# Altium PCB HMI_F767_V1.0_edited.PcbDoc (part 1 of 3) (continued)
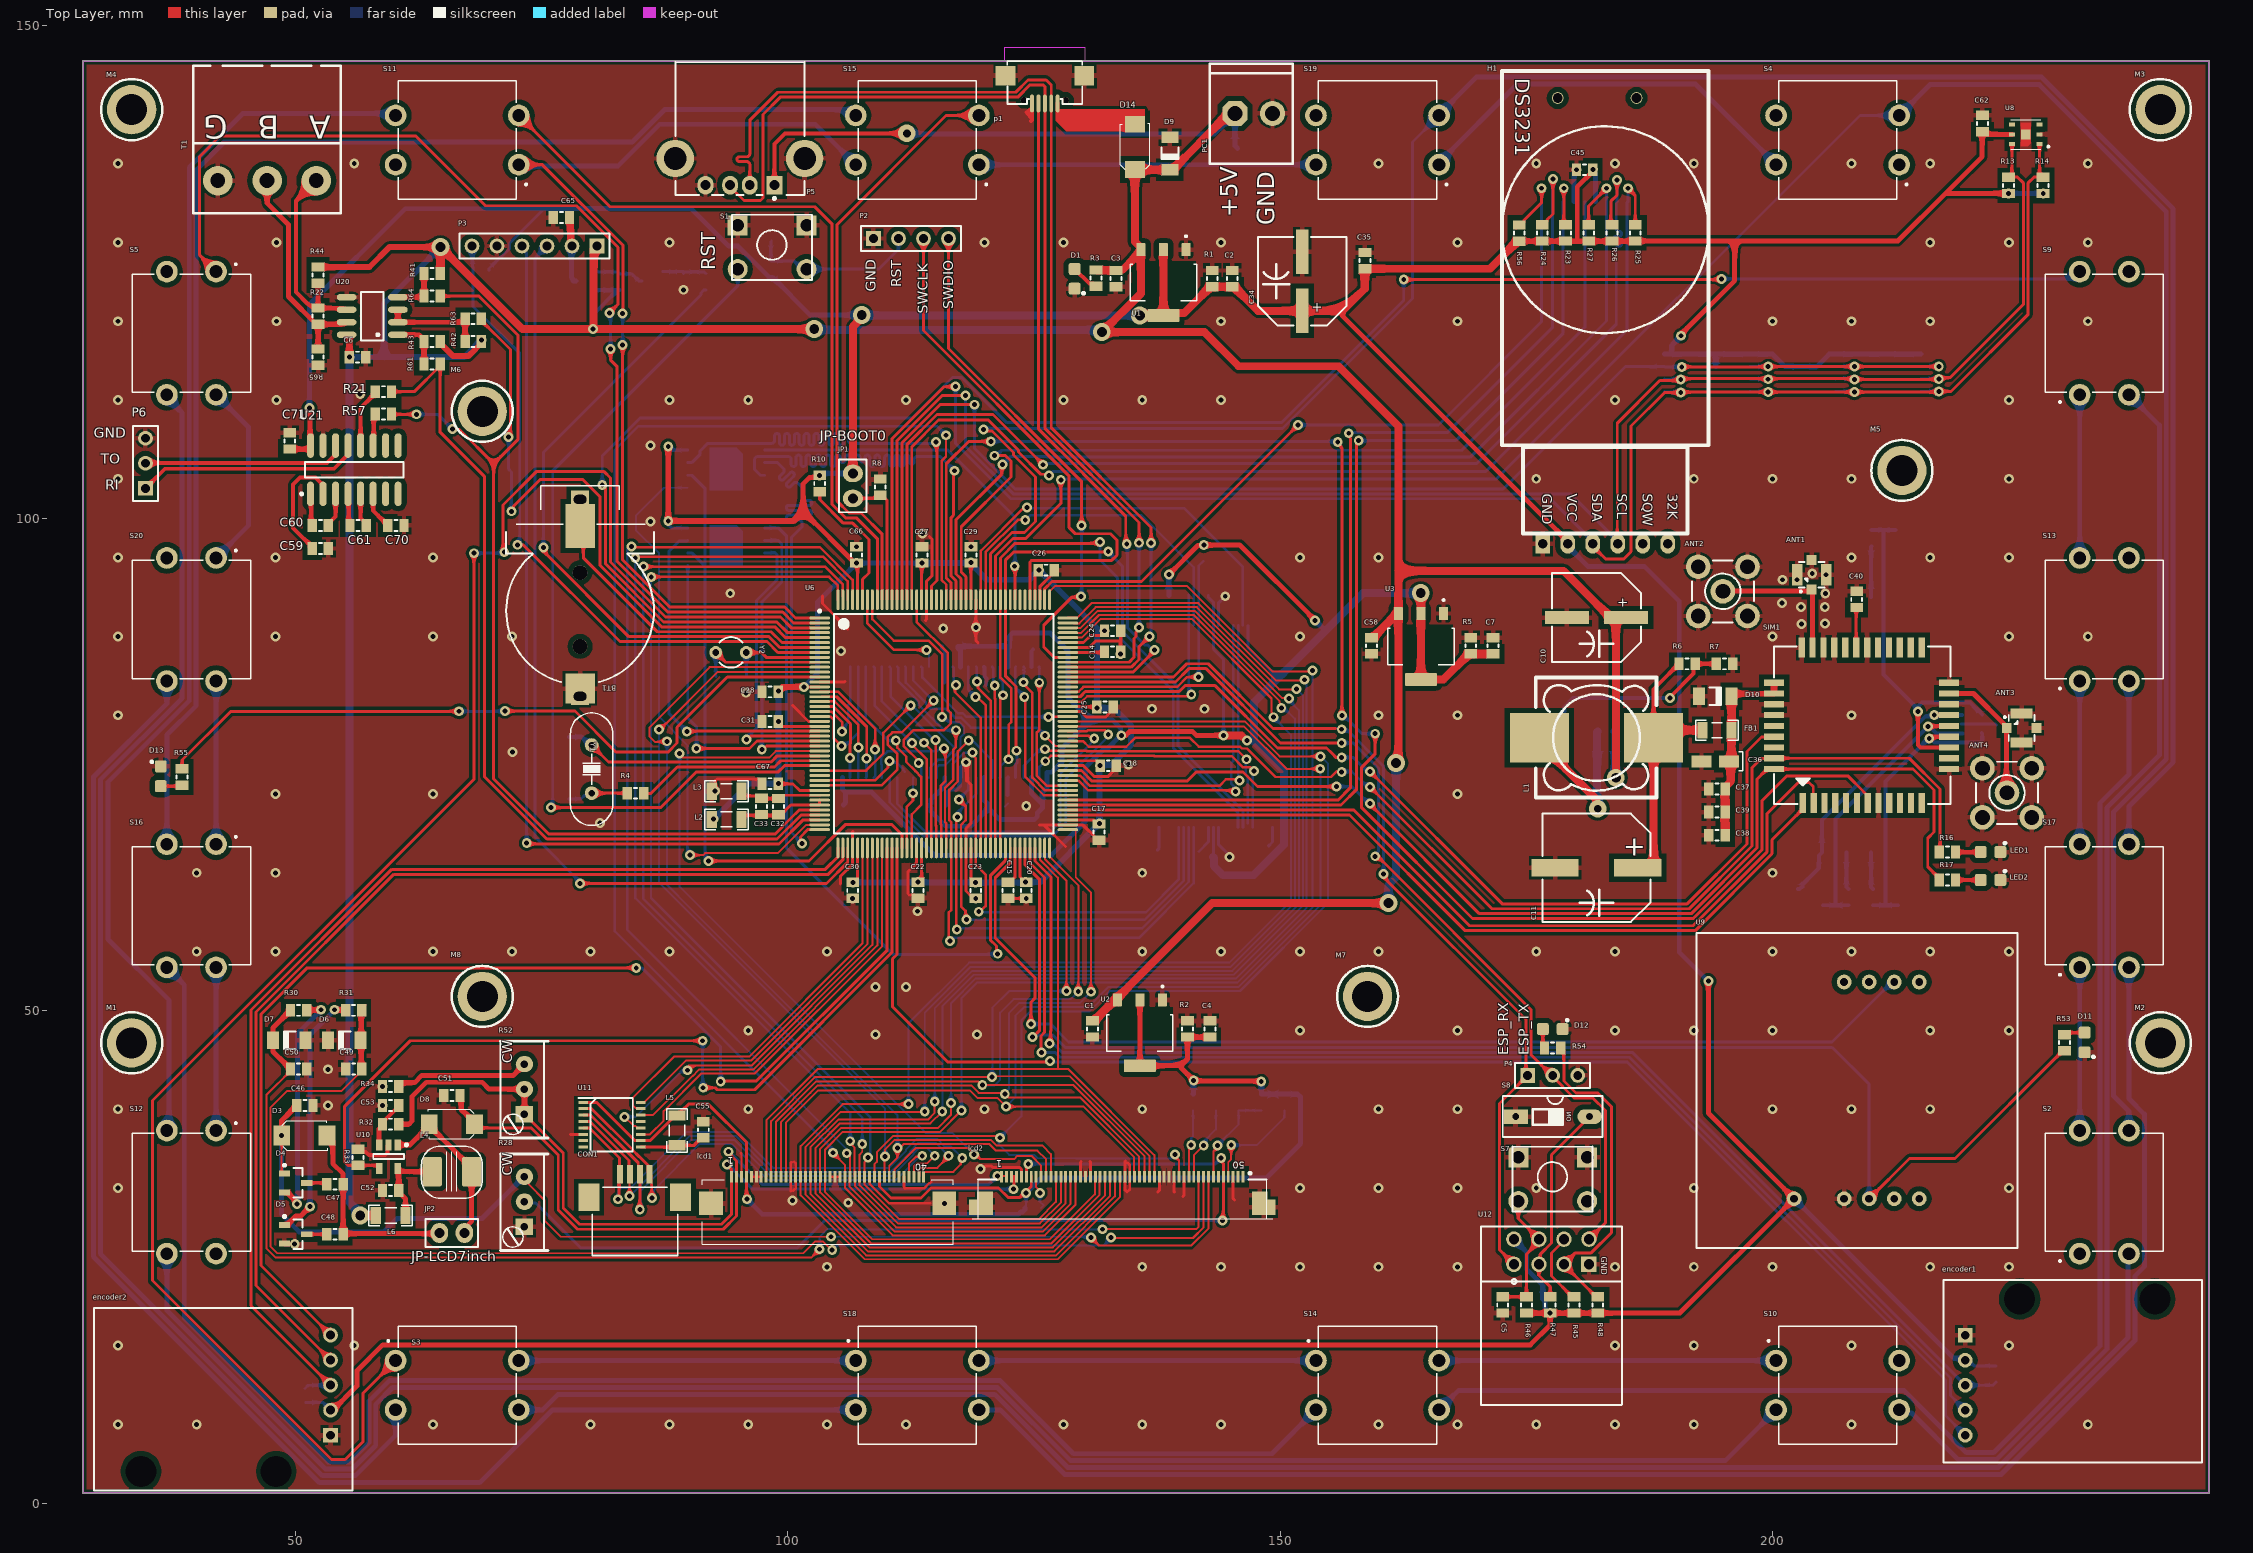
[diagram p0: Top Layer view]
## Components (designator, comment, footprint, x,y, rotation, side; value= is the part's Value field where it differs from the comment) (continued)
L5 "inductor 10uH" IND1206 88.773,37.846 r90 top value=10uH
L6 "inductor 10uH" IND1206 59.69,29.21 r180 top value=10uH
lcd1 "FPC40Pin bottom" FPC40 86.765,38.918 r270 top locked
lcd2 "FPC50Pin bottom" FPC50PIN 119.634,30.099 r270 top locked
LED1 "LED Green" 0805-LED 222.123,66.107 r0 top
LED2 "LED Red" 0805-LED 222.123,63.27 r0 top
M1 "Spacer-ff 10mm" SCREW 33.398,46.736 r0 top locked
M2 "Spacer-ff 10mm" SCREW 239.366,46.736 r0 top locked
M3 "Spacer-ff 10mm" SCREW 239.366,141.481 r0 top locked
M4 "Spacer-ff 10mm" SCREW 33.398,141.481 r0 top locked
M5 "Spacer-ff 10mm" Screw 213.125,104.85 r0 top
M6 "Spacer-ff 10mm" screw 69,110.85 r0 top
M7 "Spacer-ff 10mm" screw 158.875,51.45 r0 top
M8 "Spacer-ff 10mm" screw 69,51.45 r0 top
p1 "USB Connector" USB_AB_BM_SHS 126.111,143.51 r0 top locked
P2 "Header4Pin Female" HDR1X4 108.712,128.397 r0 top
P3 "Communication Con 6Pin" HDR1X6 80.645,127.635 r180 top
P4 "Header3Pin Female" HDR1X3 175.133,43.434 r0 top
P5 "USB Connector A Type Femal" USB2.5-2H4C 95.157,139.305 r90 top locked
P6 "Header 3" HDR1X3 34.8,103.035 r90 top
PC1 "Power Connector" "My_ Power_Connector" 141.605,146.177 r0 top
Q1 "NDS356AP" SOT23_N#1 79.629,124.079 r180 bottom
Q2 "C945" SOT23_N#2 86.267,124.079 r180 bottom
R1 "Res 330R" "RES 0805 (2012X06L)" 143.108,125.152 r270 top value=330R
R2 "Res 330R" "RES 0805 (2012X06L)" 140.589,48.978 r270 top value=330R
R3 "Res 4.7K" "RES 0805 (2012X06L)" 131.297,123.545 r90 top value=4.7K
R4 "Res 120R" "RES 0805 (2012X06L)" 85.375,72.075 r180 top value=120R
R5 "Res 330R" "RES 0805 (2012X06L)" 169.35,87.875 r270 top value=330R
R6 "Res 4.3K" "RES 0805 (2012X06L)" 192.15,85.217 r180 top value=4.3K
R7 "Res 1.8K" "RES 0805 (2012X06L)" 195.936,85.217 r180 top value=1.8K
R8 "Res 1K" "RES 0805 (2012X06L)" 109.4,102.325 r90 top value=1K
R9 "Res 1K" "RES 0805 (2012X06L)" 98.298,124.461 r90 bottom value=1K
R10 "Res 1K" "RES 0805 (2012X06L)" 103.25,102.7 r90 top value=1K
R11 "Res 1K" "RES 0805 (2012X06L)" 140.35,92.15 r180 bottom value=1K
R12 "Res 1K" "RES 0805 (2012X06L)" 142.25,97.275 r270 bottom value=1K
R13 "Res 4.7K" "RES 0805 (2012X06L)" 223.95,132.975 r90 top value=4.7K
R14 "Res 4.7K" "RES 0805 (2012X06L)" 227.45,132.975 r90 top value=4.7K
R15 "Res 10K" "RES 0805 (2012X06L)" 69.675,125.175 r180 bottom value=10K
R16 "Res 1K" "RES 0805 (2012X06L)" 216.916,66.107 r0 top value=1K
R17 "Res 1K" "RES 0805 (2012X06L)" 216.916,63.27 r0 top value=1K
R18 "Res 51R" "RES 0805 (2012X06L)" 210.058,97.155 r90 bottom value=51R
R19 "Res 51R" "RES 0805 (2012X06L)" 207.708,60.706 r90 bottom value=51R
R20 "Res 51R" "RES 0805 (2012X06L)" 210.185,60.707 r90 bottom value=51R
R21 "Res 0R" "RES 0805 (2012X06L)" 59.775,112.85 r180 top value=0R
R22 "Res 120R" "RES 0805 (2012X06L)" 52.325,121.337 r270 top value=120R
R23 "Res 10K" "RES 0805 (2012X06L)" 178.968,129.794 r270 top value=10K
R24 "Res 10K" "RES 0805 (2012X06L)" 176.606,129.794 r270 top value=10K
R25 "Res 10K" "RES 0805 (2012X06L)" 186.055,129.794 r270 top value=10K
R26 "Res 10K" "RES 0805 (2012X06L)" 183.693,129.794 r270 top value=10K
R27 "Res 10K" "RES 0805 (2012X06L)" 181.331,129.794 r270 top value=10K
R28 "Pot 10K" "Multi Turn 02" 73.279,28.067 r180 top value=10K
R29 "Res 0R" "RES 0805 (2012X06L)" 125.729,29.972 r180 bottom value=0R
R30 "Res 120R" "RES 0805 (2012X06L)" 51.18,50.038 r180 top value=120R
R31 "Res 120R" "RES 0805 (2012X06L)" 56.767,50.038 r180 top value=120R
R32 "Res 1K" "RES 0805 (2012X06L)" 58.865,38.481 r0 top value=1K
R33 "Res 10K" "RES 0805 (2012X06L)" 56.388,35.941 r270 top value=10K
R34 "Res 2R2" "RES 0805 (2012X06L)" 58.865,42.291 r0 top value=2R2
R35 "Res 0R" "RES 0805 (2012X06L)" 141.16,39.878 r90 bottom value=0R
R36 "Res 0R" "RES 0805 (2012X06L)" 143.478,39.878 r90 bottom value=0R
R37 "Res 0R" "RES 0805 (2012X06L)" 150.431,39.878 r90 bottom value=0R
R38 "Res 10K" "RES 0805 (2012X06L)" 148.114,39.878 r90 bottom value=10K
R39 "Res 10K" "RES 0805 (2012X06L)" 222.7,13.95 r270 bottom value=10K
R40 "Res 10K" "RES 0805 (2012X06L)" 51.075,10.225 r90 bottom value=10K
R41 "Res 10K" "RES 0805 (2012X06L)" 64.725,124.85 r180 top value=10K
R42 "Res 10K" "RES 0805 (2012X06L)" 68.9,117.95 r180 top value=10K
R43 "Res 10K" "RES 0805 (2012X06L)" 64.725,117.95 r180 top value=10K
R44 "Res 20K" "RES 0805 (2012X06L)" 52.325,125.5 r270 top value=20K
R45 "Res 1K" "RES 0805 (2012X06L)" 179.832,19.304 r90 top value=1K
R46 "Res 1K" "RES 0805 (2012X06L)" 175.006,19.304 r90 top value=1K
R47 "Res 1K" "RES 0805 (2012X06L)" 177.419,20.954 r270 top value=1K
R48 "Res 1K" "RES 0805 (2012X06L)" 182.245,20.954 r270 top value=1K
R49 "Res 10K" "RES 0805 (2012X06L)" 82.931,123.191 r90 bottom value=10K
R50 "Res 1K" "RES 0805 (2012X06L)" 91.694,123.191 r90 bottom value=1K
R51 "Res 10K" "RES 0805 (2012X06L)" 89.408,123.191 r90 bottom value=10K
R52 "Pot 10R" "Multi Turn 02" 73.279,39.497 r180 top value=10R
R53 "Res 4.7K" "RES 0805 (2012X06L)" 229.625,47.575 r270 top value=4.7K
R54 "Res 330R" "RES 0805 (2012X06L)" 176.848,46.228 r0 top value=330R
R55 "Res 4.7K" "RES 0805 (2012X06L)" 38.513,72.905 r90 top value=4.7K
R56 "Res 10K" "RES 0805 (2012X06L)" 174.275,129.775 r270 top value=10K
R57 "Res 0R" "RES 0805 (2012X06L)" 59.775,110.575 r180 top value=0R
R61 "Res 0R" "RES 0805 (2012X06L)" 64.725,115.65 r180 top value=0R
R63 "Res 0R" "RES 0805 (2012X06L)" 68.9,120.25 r180 top value=0R
R64 "Res 0R" "RES 0805 (2012X06L)" 64.725,122.55 r180 top value=0R
R65 "Res 20K" "RES 0805 (2012X06L)" 52.325,117.175 r270 top value=20K
S1 "Switch PB" "Switch - Push to On" 98.425,127.508 r0 top
S2 "Switch PB 12*12mm" tact-12mm 233.68,31.583 r90 top locked
S3 "Switch PB 12*12mm" tact-12mm 66.448,11.978 r0 top locked
S4 "Switch PB 12*12mm" tact-12mm 206.602,138.39 r180 top locked
S5 "Switch PB 12*12mm" tact-12mm 39.47,118.785 r270 top locked
S7 "Switch PB" "Switch - Push to On" 177.673,32.893 r0 top
S8 "1 BIT DIP Switch" "DIP Switch x1" 173.923,39.243 r270 top
S9 "Switch PB 12*12mm" tact-12mm 233.68,118.785 r90 top locked
S10 "Switch PB 12*12mm" tact-12mm 206.602,11.978 r0 top locked
S11 "Switch PB 12*12mm" tact-12mm 66.448,138.39 r180 top locked
S12 "Switch PB 12*12mm" tact-12mm 39.47,31.583 r270 top
S13 "Switch PB 12*12mm" tact-12mm 233.68,89.718 r90 top locked
S14 "Switch PB 12*12mm" tact-12mm 159.884,11.978 r0 top locked
S15 "Switch PB 12*12mm" tact-12mm 113.166,138.39 r180 top locked
S16 "Switch PB 12*12mm" tact-12mm 39.47,60.65 r270 top locked
S17 "Switch PB 12*12mm" tact-12mm 233.68,60.65 r90 top locked
S18 "Switch PB 12*12mm" tact-12mm 113.166,11.978 r0 top locked
S19 "Switch PB 12*12mm" tact-12mm 159.884,138.39 r180 top locked
S20 "Switch PB 12*12mm" tact-12mm 39.47,89.718 r270 top locked
SIM1 "SIM800C" SIM800C 203.073,71.231 r180 top
SIM2 "SIM HOLDER 6PIN" simcard_holder 207.518,77.724 r180 bottom locked
T1 "Phoenix terminal 3" "phoenix terminal 3" 54.643,145.959 r180 top
U1 "AMS1117 3.3" SOT229P700X180-4N 138.155,123.926 r270 top
U2 "AMS1117 3.3" SOT229P700X180-4N 135.763,47.752 r270 top
U3 "AMS1117 3.3" SOT229P700X180-4N 164.3,86.98 r270 top
U4 "K4S561632C" RAM 115.95,79.3 r90 bottom locked
U5 "lm2576-adj" 2596 180.545,84.759 r90 bottom
U6 "stm32h743iit6" STM-LQFP176_M 115.85,79.125 r0 top locked
U7 "K9FxG0BU0A NAND" TSOP-48 143.475,78.875 r270 bottom locked
U8 "SHT20" XDCR_SHT20 225.7,138.975 r180 top
U9 "EM_18_RFID" EM-18 207.264,41.91 r90 top locked
U10 "TPS61040" SOT23-5_N 59.477,35.179 r270 top
U11 "ADS7843" XPT 77.598,41.294 r270 top
U12 "Header4*2Pin Female" ESP8266-01/ESP-01 177.548,24.257 r270 top
U13 "AT24C128" SOIC-8 217.673,114.761 r180 bottom
U14 "AT24C128" SOIC-8 208.995,114.761 r180 bottom
U15 "AT24C128" SOIC-8 200.316,114.761 r180 bottom
U16 "AT24C128" SOIC-8 191.638,114.761 r180 bottom
U17 "MMQA5V6T1" SOT23-6 220.208,79.106 r0 bottom
U18 "W25Q32" WSON-8x6 93.75,97.125 r180 bottom
U19 "W25Q32" WSON-8x6 93.75,105 r180 bottom
U20 "MAX485" SOIC8-Narrow 57.825,120.532 r90 top
U21 "MAX3232ESE" SOIC16_M 56.005,104.925 r90 top
Y1 "Crystal 16MHZ" "CRYSTAL Small" 80.1,74.525 r270 top
Y2 "Crystal 32768Hz" "XTAL RTC" 94.25,86.375 r180 top

## Footprints (in the part's own frame and the unit in brackets; to place one, negate y for a bottom-side part, rotate by r counter-clockwise, add the part's x,y. Pads: shape width x height; smd on the part's side, far side on the other; paste and mask are expansions set on the pad)
0805-LED [mm]
  rrect30% 1.2x1.2 smd: A(-1,0) C(1,0)
  silkscreen extent 1.43,0.86 1.5,0.94, body extent -1.01,-0.63 1.01,0.62, height 1.1
2596 [mm]
  rect 4x1.2 smd: 1(-6.4,3.4) 2(-6.4,1.7) 3(-6.4,0) 4(-6.4,-1.7) 5(-6.4,-3.4)
  rect 10.5x11.05 smd: 3(3.048,0)
  silkscreen extent -6.12,-3.35 -3.25,4.68, body extent -2.05,-3.35 4.15,3.35, height 2.38
BTH1220 [mm] "COIN CELL BATTERY HOLDER 1220 12mm CR1220"
  round 1.5 hole 1.5 unplated: 0(-2.563,0) 0(4.93,0)
  rect 1.8x1.8 hole 0.9 slot 1.3 at 90 deg: 1(-10,0) 2(10,0)
  rect 4.5x3 smd: 1(-7.3,0)
  rect 3x3 smd: 2(9.2,0)
  silkscreen extent -11.4,-7.5 8.54,7.5, body extent -8.46,-7.39 10.34,7.36, height 4.28
"Cap 805" [mm]
  rect 0.95x1.3 smd: 1(0,0) 2(1.65,0)
  silkscreen extent 0.67,-0.55 0.98,0.55, body extent -0.19,-0.64 1.84,0.63, height 0.65
"Cap 1206 (3216X18L) Size A" [mm] "Chip Capacitor, 2-Leads, Body 3.2x1.6mm, IPC High Density, chip Tantalum"
  rect 1.999x1.199 smd: 1(0,0) 2(2.8,0)
  silkscreen extent -1.38,-0.97 -0.99,0.97, body extent -0.43,-0.9 3.21,0.9, height 1.8
"Cap SMD 100UF 35~50v" [mm]
  rect 4.5x1.3 smd: 1(3,0) 2(-3,0)
  silkscreen extent -4.5,-4.5 4.5,4.5
"CAP SMD 1000UF 16V" [mm]
  rect 4.8x1.8 smd: 1(4.2,0) 2(-4.2,0)
  silkscreen extent -5.5,-5.5 5.5,5.5
"CRYSTAL Small" [mil] "DESIGNER ABBAS BASEREH"
  round 55 hole 25: 1(-96.06,0) 2(96.06,0)
  silkscreen extent -225,-85 225,85, body extent -226,-89 226,89, height 142
"Diode 1n4148 SMD" [mm] "Mini MELF SOD-80"
  rect 1.2x1.75 smd: 1(0,0) 2(3.3,0)
  silkscreen extent 1.04,-0.88 2.22,0.87, body extent -0.13,-0.75 3.37,0.75, height 1.55
"DIP Switch x1" [mm] "Switch DIP 1 way flat slide Thru-Hole-Design:Ali Hafizi"
  rect 1.5x2.5 hole 0.7: 1(0,0)
  oval 1.5x2.5 hole 0.7: 2(0,7.5)
  silkscreen extent -2.09,-1.32 2.08,8.82, body extent -1.94,-1.11 1.89,8.64, height 7.33
DS3231 [mm]
  rect 2x1.5 hole 1: 1(0,0)
  oval 2x1.5 hole 1: 2(0,2.54) 3(0,5.08) 4(0,7.62) 5(0,10.16) 6(0,12.7)
  silkscreen extent -48,-4.15 -1.05,16.85, body extent -47.43,-4.92 -2.68,17.88, height 14.41
EM-18 [mm]
  round 1.5 hole 0.8 mask+0.05: 1(-11,5.08) 2(-11,0) 3(-11,-2.54) 4(-11,-5.08) 5(-11,-7.62) 6(11,-7.62) 7(11,-5.08) 8(11,-2.54) 9(11,0)
  silkscreen extent -16,-17.62 16,15
ESP8266-01/ESP-01 [mm]
  round 1.575 hole 1.05: 1(0,-3.81) 2(0,-1.27) 3(0,1.27) 5(-2.54,3.81) 6(-2.54,1.27) 7(-2.54,-1.27) 8(-2.54,-3.81)
  rect 1.575x1.575 hole 1.05: 4(0,3.81)
  silkscreen extent -3.81,-7.15 14.3,7.17, body extent -4.02,-7.15 20.57,7.5, height 10
FB1206 [mm] "Ferrite Chip Bead SMD 1206-Design:Ali Hafizi"
  rect 1.05x1.7 smd: 1(-1.475,0) 2(1.475,0)
  silkscreen extent -2.18,-1.02 2.17,1.02, body extent -1.59,-0.8 1.61,0.8, height 1.1
FPC40 [mm]
  rect 1.2x0.3 smd mask+0.05: 1(5.771,7.549) 2(5.771,8.05) 3(5.771,8.55) 4(5.771,9.05) 5(5.771,9.55) 6(5.771,10.049) 7(5.771,10.55) 8(5.771,11.049) 9(5.771,11.55) 10(5.771,12.049) 11(5.771,12.55) 12(5.771,13.049) 13(5.771,13.55) 14(5.771,14.049) 15(5.771,14.55) 16(5.771,15.049) 17(5.771,15.55) 18(5.771,16.049) 19(5.771,16.55) 20(5.771,17.049) 21(5.771,17.55) 22(5.771,18.049) 23(5.771,18.55) 24(5.771,19.049) 25(5.771,19.55) 26(5.771,20.049) 27(5.771,20.55) 28(5.771,21.05) 29(5.771,21.55) 30(5.771,22.05) 31(5.771,22.55) 32(5.771,23.05) 33(5.771,23.549) 34(5.771,24.05) 35(5.771,24.549) 36(5.771,25.05) 37(5.771,25.549) 38(5.771,26.05) 39(5.771,26.549) 40(5.771,27.05)
  rect 2.4x2.4 smd: 41(8.471,29.149) 42(8.471,5.45)
  silkscreen extent 4.45,4.55 12.62,30.05, body extent 5.2,4.49 12.62,30.11, height 2.1
FPC50PIN [mm]
  rect 1.2x0.3 smd mask+0.05: 1(-3.048,2.098) 2(-3.048,2.598) 3(-3.048,3.098) 4(-3.048,3.598) 5(-3.048,4.098) 6(-3.048,4.598) 7(-3.048,5.098) 8(-3.048,5.598) 9(-3.048,6.098) 10(-3.048,6.598) 11(-3.048,7.098) 12(-3.048,7.598) 13(-3.048,8.098) 14(-3.048,8.598) 15(-3.05,9.098) 16(-3.05,9.598) 17(-3.048,10.098) 18(-3.048,10.598) 19(-3.048,11.098) 20(-3.048,11.598) 21(-3.048,12.098) 22(-3.048,12.598) 23(-3.048,13.098) 24(-3.048,13.598) 25(-3.048,14.098) 26(-3.048,14.598) 27(-3.048,15.098) 28(-3.048,15.598) 29(-3.048,16.098) 30(-3.048,16.598) 31(-3.048,17.098) 32(-3.048,17.598) 33(-3.048,18.098) 34(-3.048,18.598) 35(-3.048,19.098) 36(-3.048,19.598) 37(-3.048,20.098) 38(-3.048,20.598) 39(-3.048,21.098) 40(-3.048,21.598) 41(-3.048,22.098) 42(-3.048,22.598) 43(-3.048,23.098) 44(-3.048,23.598) 45(-3.048,24.098) 46(-3.048,24.598) 47(-3.048,25.098) 48(-3.048,25.598) 49(-3.048,26.098) 50(-3.048,26.598)
  rect 0.8x1.6 smd: 51(-1.148,28.298) 52(-1.148,0.398)
  rect 1.6x2.4 smd: 51(0.052,28.698) 52(0.052,-0.002)
  silkscreen extent -3.52,-0.9 1.2,29.6, body extent -2.75,-0.9 2.25,29.6, height 2
FPC-4pin-1mm [mil]
  rect 24x75 smd: 1(59,189) 2(20,189) 3(-20,189) 4(-59,189)
  rect 83x110 smd: 5(-183,281) 6(183,281)
  silkscreen extent -171,242 171,514
HDR1X3 [mm] "Connector; Header; 3 Position"
  rect 1.5x1.5 hole 0.9: 1(0,0)
  round 1.5 hole 0.9: 2(2.54,0) 3(5.08,0)
  silkscreen extent -1.27,-1.27 6.35,1.27
HDR1X4 [mm] "Connector; Header; 4 Position"
  rect 1.5x1.5 hole 0.9: 1(0,0)
  round 1.5 hole 0.9: 2(2.54,0) 3(5.08,0) 4(7.62,0)
  silkscreen extent -1.27,-1.27 8.89,1.27
HDR1X6 [mm] "Connector; Header; 6 Position"
  rect 1.5x1.5 hole 0.9: 1(0,0)
  round 1.5 hole 0.9: 2(2.54,0) 3(5.08,0) 4(7.62,0) 5(10.16,0) 6(12.7,0)
  silkscreen extent -1.27,-1.27 13.97,1.27
IND1206 [mm] "Chip Inductor, 2-Leads, Body 3/20x1/60mm, IPC Medium Density DESIGNER:ABBAS BASEREH"
  rect 1.04x1.74 smd: 1(-1.51,0) 2(1.51,0)
  silkscreen extent -2.2,-1.05 2.2,1.05, body extent -1.65,-0.85 1.65,0.85, height 0.94
inductor [mm]
  rect 5x6 smd: 1(0,5.8) 2(0,-5.8)
  silkscreen extent -6.1,-6.1 6.1,6.1, body extent -6,-6.17 6,6.17, height 7.5
"Inductor SMD 3x3.2mm" [mm] "Inductor 4.7µH SMD 3x3.2mm"
  round 0.508 on Mech15: 0(0,0)
  rrect25% 2x3 smd: 1(-2,0) 2(2,0)
  silkscreen extent -3.1,-2.6 3.1,2.7, body extent -2.9,-2.6 2.89,2.6, height 4.5
"Jumper Small - 2.54 - GRAY" [mil]
  oval 70x80 hole 40: 1(-50,0) 2(50,0)
  silkscreen extent -105,-55 105,55, body extent -100,-50 100,50, height 337
KY-040-ENCODER [mm] "Connector; Header; 5 Position"
  rect 1.5x1.5 hole 0.9: 1(11,-3.65)
  round 1.5 hole 0.9: 2(11,-1.11) 3(11,1.43) 4(11,3.97) 5(11,6.51)
  round 0 hole 3.15: S(-8.25,-7.325) S(5.475,-7.325)
  round 3 on Top Overlay: S(-3.125,1.425)
  silkscreen extent -13.03,-9.28 13.23,9.28, body extent -13.1,-9.3 13.1,9.3, height 29.8
"Multi Turn 02" [mil]
  rect 70x65 hole 30: 1(0,0)
  oval 70x65 hole 30: 2(0,-200) 3(0,-100)
  silkscreen extent -94,-291 96,94, body extent -73,-285 93,89, height 452
"My_ Power_Connector" [mm]
  oct 2.54x2.54 hole 1.5: 1(3.81,-5.08)
  round 2.54 hole 1.5: 2(7.62,-5.08)
  silkscreen extent 1.27,-10.17 9.65,-0.01
"phoenix terminal 3" [mm] "3 terminals"
  round 3 hole 1.5: 1(2.493,11.684) 2(7.493,11.684) 3(12.493,11.684)
  silkscreen extent 0,0 15,15
RAM [mm]
  rrect25% 1.6x0.5 smd: 1(-5.64,10.4) 2(-5.64,9.6) 3(-5.64,8.8) 4(-5.64,8) 5(-5.64,7.2) 6(-5.64,6.4) 7(-5.64,5.6) 8(-5.64,4.8) 9(-5.64,4) 10(-5.64,3.2) 11(-5.64,2.4) 12(-5.64,1.6) 13(-5.64,0.8) 14(-5.64,0) 15(-5.64,-0.8) 16(-5.64,-1.6) 17(-5.64,-2.4) 18(-5.64,-3.2) 19(-5.64,-4) 20(-5.64,-4.8) 21(-5.64,-5.6) 22(-5.64,-6.4) 23(-5.64,-7.2) 24(-5.64,-8) 25(-5.64,-8.8) 26(-5.64,-9.6) 27(-5.64,-10.4) 28(5.6,-10.4) 29(5.6,-9.6) 30(5.6,-8.8) 31(5.6,-8) 32(5.6,-7.2) 33(5.6,-6.4) 34(5.6,-5.6) 35(5.6,-4.8) 36(5.6,-4) 37(5.6,-3.2) 38(5.6,-2.4) 39(5.6,-1.6) 40(5.6,-0.8) 41(5.6,0) 42(5.6,0.8) 43(5.6,1.6) 44(5.6,2.4) 45(5.6,3.2) 46(5.6,4) 47(5.6,4.8) 48(5.6,5.6) 49(5.6,6.4) 50(5.6,7.2) 51(5.6,8) 52(5.6,8.8) 53(5.6,9.6) 54(5.6,10.4)
  silkscreen extent -7.18,-11.11 5.06,11.11
"RES 0805 (2012X06L)" [mm] "Chip Resistor, 2-Leads, Body 2.0x1.3mm, IPC High Density _ (0.100 W)"
  rect 0.95x1.3 smd: 1(0,0) 2(1.65,0)
  silkscreen extent 0.67,-0.55 0.98,0.55, body extent -0.19,-0.63 1.84,0.64, height 0.6
SCREW [mm]
  round 5 hole 3.15 mask+0.1: S(0,0)
  silkscreen extent -3.1,-3.1 3.1,3.1
Screw [mm]
  round 5 hole 3.15 mask+0.1: S(0,0)
  silkscreen extent -3.1,-3.1 3.1,3.1
screw [mm]
  round 5 hole 3.15 mask+0.1: S(0,0)
  silkscreen extent -3.1,-3.1 3.1,3.1
SD_card [mm]
  round 1.2 hole 1: 0(-4.95,-5.25) 0(3.05,-5.25)
  rect 0.7x1.6 smd: 1(2.2,5.25) 2(1.1,5.25) 3(0,5.25) 4(-1.1,5.25) 5(-2.2,5.25) 6(-3.3,5.25) 7(-4.4,5.25) 8(-5.5,5.25) 9(-6.6,5.25)
  rect 1x1.4 smd: sh1(-7.95,4.65)
  rect 1.2x2.2 smd: sh2(-7.75,-4.85) sh3(7.75,-4.85)
  rect 1.6x1.2 smd: sh4(6.85,4.75)
  silkscreen extent -7.76,-8.95 7.74,5.77, body extent -7.78,-8.98 7.74,5.81, height 1
SIM800C [mil]
  rect 25x80 smd: 1(0,5) 2(-43.18,5) 3(-86.36,5) 4(-129.55,5) 5(-172.73,5) 6(-215.91,5) 7(-259.09,5) 8(-302.27,5) 9(-345.45,5) 10(-388.64,5) 11(-431.82,5) 12(-475,5) 22(-475,-615) 23(-431.36,-615) 24(-387.73,-615) 25(-344.09,-615) 26(-300.45,-615) 27(-256.82,-615) 28(-213.18,-615) 29(-169.55,-615) 30(-125.91,-615) 31(-82.27,-615) 32(-38.64,-615) 33(5,-615)
  rect 80x25 smd: 13(-585,-130) 14(-585,-173.13) 15(-585,-216.25) 16(-585,-259.38) 17(-585,-302.5) 18(-585,-345.63) 19(-585,-388.75) 20(-585,-431.88) 21(-585,-475) 34(115,-475) 35(115,-431.88) 36(115,-388.75) 37(115,-345.62) 38(115,-302.5) 39(115,-259.38) 40(115,-216.25) 41(115,-173.12) 42(115,-130)
  silkscreen extent -590,-620 115,10, body extent -583,-613 110,5, height 88
simcard_holder [mm]
  rect 1x2 smd: 1(2.521,-11.662) 2(0.021,-11.662) 3(-2.479,-11.662) 4(2.521,14.138) 5(0.021,14.138) 6(-2.479,14.138)
  silkscreen extent -9.78,-12.19 7.07,17.74, body extent -9.83,-11.93 7.37,17.71, height 2.6
SMA [mm]
  round 2.5 hole 1.5: 1(0,0) 2(-2.5,2.5) 2(-2.5,-2.5) 2(2.5,2.5) 2(2.5,-2.5)
  silkscreen extent -3.15,-3.15 3.15,3.15, body extent -3.25,-3.25 3.25,3.25, height 10.2
"SMA DIODE 2" [mm]
  rect 1.7x2 smd: 1(-2.3,0) 2(2.3,0)
  silkscreen extent -2.4,-1.5 2.25,1.5, body extent -2.1,-1.3 2.1,1.3, height 0.55
SOIC8-Narrow [mm] "SOIC, 8-Leads, Body 3.0x3.0mm (max), Pitch 1.27mm, IPC Medium Density"
  oval 0.625x2 smd: 1(-1.905,-2.6) 2(-0.635,-2.6) 3(0.635,-2.6) 4(1.905,-2.6) 5(1.905,2.6) 6(0.635,2.6) 7(-0.635,2.6) 8(-1.905,2.6)
  silkscreen extent -2.47,-1.12 2.41,1.13, body extent -2.41,-3.1 2.41,3.1, height 1.7
SOIC16_M [mm] "SOIC, 16-Leads, Body 9.9x3.9mm, Pitch 1.27mm, IPC Low Density"
  oval 2.5x0.7 smd: 1(-2.45,4.445) 2(-2.45,3.175) 3(-2.45,1.905) 4(-2.45,0.635) 5(-2.45,-0.635) 6(-2.45,-1.905) 7(-2.45,-3.175) 8(-2.45,-4.445) 9(2.45,-4.445) 10(2.45,-3.175) 11(2.45,-1.905) 12(2.45,-0.635) 13(2.45,0.635) 14(2.45,1.905) 15(2.45,3.175) 16(2.45,4.445)
  silkscreen extent -2.57,-5 0.8,5.47, body extent -2,-5 2,5, height 1.91
SOIC-8 [mm]
  oval 2x0.625 smd: 1(-2.6,1.905) 2(-2.6,0.635) 3(-2.6,-0.635) 4(-2.6,-1.905) 5(2.6,-1.905) 6(2.6,-0.635) 7(2.6,0.635) 8(2.6,1.905)
  silkscreen extent -1.13,-2.41 1.13,2.47, body extent -3.1,-2.41 3.1,2.41, height 1.7
SOT23-5_N [mm] "SOT23, 6-Leads, Body 2.9x1.6mm, Pitch 0.95mm, Lead Span 2.7mm, IPC Medium Density"
  rect 1.1x0.65 smd: 1(-1.2,0.95) 2(-1.2,0) 3(-1.2,-0.95) 4(1.2,-0.95) 5(1.2,0.95)
  silkscreen extent -1.32,-1.55 0.25,1.95, body extent -0.9,-1.55 0.9,1.55, height 1.45
SOT23-6 [mm]
  rrect50% 1.27x0.55 smd paste+0.038 mask+0.038: 1(-1.075,0.95) 2(-1.075,0) 3(-1.075,-0.95) 4(1.075,-0.95) 5(1.075,0) 6(1.075,0.95)
  silkscreen extent -1.35,-1.55 0.9,1.57, body extent -1.4,-1.45 1.4,1.45, height 1.45
SOT23_BEC_N [mm] "SOT23, 3-Leads, Body 2.9x1.3mm, Pitch 0.95mm, Lead Span 2.4mm, IPC Medium Density"
  rect 1.15x0.6 smd: 1(-1.125,0.95) 2(-1.125,-0.95) 3(1.125,0)
  silkscreen extent -1.25,-1.5 0.7,1.92, body extent -1.23,-1.45 1.07,1.45, height 1
SOT23_N#1 [mm] "SOT23, 3-Leads, Body 2.9x1.3mm, Pitch 0.95mm, Lead Span 2.3mm - Reverse Pinning, IPC Medium Density"
  rect 1.15x0.6 smd: 1(1.125,0) 2(-1.125,-0.95) 3(-1.125,0.95)
  silkscreen extent -0.2,-1.5 1.47,1.5, body extent -0.7,-1.5 0.7,1.5, height 1.1
SOT23_N#2 [mm] "SOT23, 3-Leads, Body 2.9x1.3mm, Pitch 0.95mm, Lead Span 2.3mm, IPC Medium Density"
  rect 1.3x0.6 smd: 1(-1.05,0.95) 2(-1.05,-0.95) 3(1.05,0)
  silkscreen extent -1.18,-1.5 0.7,1.92, body extent -1.27,-1.5 1.27,1.5, height 1.1
SOT229P700X180-4N [mm]
  rrect15% 1.31x0.93 smd: 1(-3.345,2.29) 2(-3.345,0) 3(-3.345,-2.29)
  rrect15% 1.31x3.24 smd: 4(3.345,0)
  silkscreen extent -4.8,-3.36 1.86,3.36
STM-LQFP176_M [mm] "Thin QFP, 176-Leads, Body 24x24mm, Pitch 0.5mm, IPC Low Density"
  oval 2.1x0.3 smd mask+0.05: 1(-12.6,10.75) 2(-12.6,10.25) 3(-12.6,9.75) 4(-12.6,9.25) 5(-12.6,8.75) 6(-12.6,8.25) 7(-12.6,7.75) 8(-12.6,7.25) 9(-12.6,6.75) 10(-12.6,6.25) 11(-12.6,5.75) 12(-12.6,5.25) 13(-12.6,4.75) 14(-12.6,4.25) 15(-12.6,3.75) 16(-12.6,3.25) 17(-12.6,2.75) 18(-12.6,2.25) 19(-12.6,1.75) 20(-12.6,1.25) 21(-12.6,0.75) 22(-12.6,0.25) 23(-12.6,-0.25) 24(-12.6,-0.75) 25(-12.6,-1.25) 26(-12.6,-1.75) 27(-12.6,-2.25) 28(-12.6,-2.75) 29(-12.6,-3.25) 30(-12.6,-3.75) 31(-12.6,-4.25) 32(-12.6,-4.75) 33(-12.6,-5.25) 34(-12.6,-5.75) 35(-12.6,-6.25) 36(-12.6,-6.75) 37(-12.6,-7.25) 38(-12.6,-7.75) 39(-12.6,-8.25) 40(-12.6,-8.75) 41(-12.6,-9.25) 42(-12.6,-9.75) 43(-12.6,-10.25) 44(-12.6,-10.75) 89(12.6,-10.75) 90(12.6,-10.25) 91(12.6,-9.75) 92(12.6,-9.25) 93(12.6,-8.75) 94(12.6,-8.25) 95(12.6,-7.75) 96(12.6,-7.25) 97(12.6,-6.75) 98(12.6,-6.25) 99(12.6,-5.75) 100(12.6,-5.25) 101(12.6,-4.75) 102(12.6,-4.25) 103(12.6,-3.75) 104(12.6,-3.25) 105(12.6,-2.75) 106(12.6,-2.25) 107(12.6,-1.75) 108(12.6,-1.25) 109(12.6,-0.75) 110(12.6,-0.25) 111(12.6,0.25) 112(12.6,0.75) 113(12.6,1.25) 114(12.6,1.75) 115(12.6,2.25) 116(12.6,2.75) 117(12.6,3.25) 118(12.6,3.75) 119(12.6,4.25) 120(12.6,4.75) 121(12.6,5.25) 122(12.6,5.75) 123(12.6,6.25) 124(12.6,6.75) 125(12.6,7.25) 126(12.6,7.75) 127(12.6,8.25) 128(12.6,8.75) 129(12.6,9.25) 130(12.6,9.75) 131(12.6,10.25) 132(12.6,10.75)
  oval 0.3x2.1 smd mask+0.05: 45(-10.75,-12.6) 46(-10.25,-12.6) 47(-9.75,-12.6) 48(-9.25,-12.6) 49(-8.75,-12.6) 50(-8.25,-12.6) 51(-7.75,-12.6) 52(-7.25,-12.6) 53(-6.75,-12.6) 54(-6.25,-12.6) 55(-5.75,-12.6) 56(-5.25,-12.6) 57(-4.75,-12.6) 58(-4.25,-12.6) 59(-3.75,-12.6) 60(-3.25,-12.6) 61(-2.75,-12.6) 62(-2.25,-12.6) 63(-1.75,-12.6) 64(-1.25,-12.6) 65(-0.75,-12.6) 66(-0.25,-12.6) 67(0.25,-12.6) 68(0.75,-12.6) 69(1.25,-12.6) 70(1.75,-12.6) 71(2.25,-12.6) 72(2.75,-12.6) 73(3.25,-12.6) 74(3.75,-12.6) 75(4.25,-12.6) 76(4.75,-12.6) 77(5.25,-12.6) 78(5.75,-12.6) 79(6.25,-12.6) 80(6.75,-12.6) 81(7.25,-12.6) 82(7.75,-12.6) 83(8.25,-12.6) 84(8.75,-12.6) 85(9.25,-12.6) 86(9.75,-12.6) 87(10.25,-12.6) 88(10.75,-12.6) 133(10.75,12.6) 134(10.25,12.6) 135(9.75,12.6) 136(9.25,12.6) 137(8.75,12.6) 138(8.25,12.6) 139(7.75,12.6) 140(7.25,12.6) 141(6.75,12.6) 142(6.25,12.6) 143(5.75,12.6) 144(5.25,12.6) 145(4.75,12.6) 146(4.25,12.6) 147(3.75,12.6) 148(3.25,12.6) 149(2.75,12.6) 150(2.25,12.6) 151(1.75,12.6) 152(1.25,12.6) 153(0.75,12.6) 154(0.25,12.6) 155(-0.25,12.6) 156(-0.75,12.6) 157(-1.25,12.6) 158(-1.75,12.6) 159(-2.25,12.6) 160(-2.75,12.6) 161(-3.25,12.6) 162(-3.75,12.6) 163(-4.25,12.6) 164(-4.75,12.6) 165(-5.25,12.6) 166(-5.75,12.6) 167(-6.25,12.6) 168(-6.75,12.6) 169(-7.25,12.6) 170(-7.75,12.6) 171(-8.25,12.6) 172(-8.75,12.6) 173(-9.25,12.6) 174(-9.75,12.6) 175(-10.25,12.6) 176(-10.75,12.6)
  silkscreen extent -12.72,-11.15 11.15,11.57, body extent -12,-12 12,12, height 1.6
"Switch - Push to On" [mil]
  rect 80x80 hole 50: 1(-137.5,87.5) 1(137.5,87.5)
  round 80 hole 50: 2(-137.5,-87.5) 2(137.5,-87.5)
  silkscreen extent -160,-130 160,130, body extent -155,-121 157,123, height 205
tact-12mm [mm]
  round 2.2 hole 1.3: 1(-6.25,2.5) 1(6.25,2.5) 2(-6.25,-2.5) 2(6.25,-2.5)
  silkscreen extent -7.1,-6 6,6, body extent -6.9,-5.98 7.1,6.03, height 8.35
TSOP-48 [mm]
  rect 2.5x0.3 smd mask+0.05: 1(-10.25,5.75)
  oval 2.5x0.3 smd mask+0.05: 2(-10.25,5.25) 3(-10.25,4.75) 4(-10.25,4.25) 5(-10.25,3.75) 6(-10.25,3.25) 7(-10.25,2.75) 8(-10.25,2.25) 9(-10.25,1.75) 10(-10.25,1.25) 11(-10.25,0.75) 12(-10.25,0.25) 13(-10.25,-0.25) 14(-10.25,-0.75) 15(-10.25,-1.25) 16(-10.25,-1.75) 17(-10.25,-2.25) 18(-10.25,-2.75) 19(-10.25,-3.25) 20(-10.25,-3.75) 21(-10.25,-4.25) 22(-10.25,-4.75) 23(-10.25,-5.25) 24(-10.25,-5.75) 25(10.25,-5.75) 26(10.25,-5.25) 27(10.25,-4.75) 28(10.25,-4.25) 29(10.25,-3.75) 30(10.25,-3.25) 31(10.25,-2.75) 32(10.25,-2.25) 33(10.25,-1.75) 34(10.25,-1.25) 35(10.25,-0.75) 36(10.25,-0.25) 37(10.25,0.25) 38(10.25,0.75) 39(10.25,1.25) 40(10.25,1.75) 41(10.25,2.25) 42(10.25,2.75) 43(10.25,3.25) 44(10.25,3.75) 45(10.25,4.25) 46(10.25,4.75) 47(10.25,5.25) 48(10.25,5.75)
  silkscreen extent -8.16,-6.23 8.17,6, body extent -10.1,-6.05 10.1,6.05, height 1.2
"UFL ant" [mm]
  rect 1.05x2.2 smd: G(-1.475,0) G(1.475,0)
  rect 1x1 smd: G(0,1.5) S(0,-1.5)
  silkscreen extent -1.3,-1.8 1.3,1.3, body extent -1.5,-1.54 1.5,1.54, height 1.3
USB2.5-2H4C [mm] "Connector; USB1.1, Type A, Thru-Hole; 4 Position; Right Angle DESIGNER ABBAS BASEREH"
  rect 1.9x1.6 hole 1: 1(-5.49,-3.5)
  oval 1.9x1.6 hole 1: 2(-5.49,-1) 3(-5.49,1) 4(-5.49,3.5)
  round 3.8 hole 2.3: 4(-2.78,6.57) 4(-2.78,-6.57)
  silkscreen extent -6.96,-6.57 7,6.57, body extent -6.9,-7.9 7.6,7.9, height 7.35
USB_AB_BM_SHS [mm] "USB Micro AB - Standard (Bottom mount), Shell SMT DESIGNER ABBAS BASEREH"
  oval 0.4x1.8 smd: 1(1.3,-1.4) 2(0.65,-1.4) 3(0,-1.4) 4(-0.65,-1.4) 5(-1.3,-1.4)
  rect 2x2 smd: 5(-4,1.4) 5(4,1.4)
  round 0.7 hole 0.7: H(-2.1,-1.1) H(2.1,-1.1)
  Keep-Out Layer board cut-out: -4.064,2.9 -4.064,4.291 4.064,4.291 4.064,2.9
  silkscreen extent -3.8,-1.47 3.8,2.9, body extent -4,-1.78 4,4.26, height 2.75
WSON-8x6 [mm]
  oct 1.3x0.5 smd: 1(-3.895,1.905)
  rect 1.3x0.5 smd: 2(-3.895,0.635) 3(-3.895,-0.635) 4(-3.895,-1.905) 5(3.895,-1.905) 6(3.895,-0.635) 7(3.895,0.635) 8(3.895,1.905)
  rect 3x3 smd paste-3: 9(0,0)
  Top Layer region: 1.675,2.15 1.675,-2.15 -1.675,-2.15 -1.7,-2.125 -1.7,1.55 -1.1,2.15
  silkscreen extent -4.6,-3 4,3, body extent -4,-3 4,3, height 0.75
XDCR_SHT20 [mm]
  rect 0.6x0.4 smd paste-1: 1(-1.4,1) 2(-1.4,0) 3(-1.4,-1) 4(1.4,-1) 5(1.4,0) 6(1.4,1)
  rect 1x1 smd paste-1 mask+0: 7(0,0)
  Top Layer region: 0.508,-1.2 -0.508,-1.2 -0.508,0.889 -0.197,1.2 0.508,1.2
  silkscreen extent -2.4,-1.5 1.5,1.5
XPT [mil]
  rect 12x39 smd: 1(23.38,65.21) 2(48.97,65.21) 3(74.56,65.21) 4(100.15,65.21) 5(125.74,65.21) 6(151.33,65.21) 7(176.92,65.21) 8(202.51,65.21) 9(202.51,294.96) 10(176.92,294.96) 11(151.33,294.96) 12(125.74,294.96) 13(100.15,294.96) 14(74.56,294.96) 15(48.97,294.96) 16(23.38,294.96)
  silkscreen extent 7,46 219,263
"XTAL RTC" [mm] "Crystal Oscillator"
  round 1.3 hole 0.7: 1(-1.55,0) 2(1.55,0)
  silkscreen extent -1.17,-1.55 1.19,1.55, body extent -1.73,-1.6 1.72,1.6, height 8.98

## Part data
ANT1 ANT2 ANT3 ANT4: library part "ANT SMA", "Antenna", Designer="Ali Hafizi"
BT1: library part Battery, "CoinCell Battery", LatestRevisionDate=17-Jul-2002, LatestRevisionNote="Re-released for DXP Platform.", PackageDescription="Battery; 2 Leads", PackageReference=BAT-2, Published=24-Mar-1999, Publisher="Altium Limited"
C1 C2 C3 C4 C5 C6 C7 C8 C9 C12 C13 C14 C15 C16 C17 C18 C19 C20 C21 C22 C23 C24 C25 C26 C27 C28 C29 C30 C31 C32 C33 C35 C45 C46 C47 C48 C49 C50 C51 C52 C53 C54 C55 C56 C57 C58 C59 C60 C61 C62 C63 C64 C65 C66 C67 C68 C69 C70 C71 C72 C74 C75 C76: library part Cap, "Capacitor", LatestRevisionDate=17-Jul-2002, LatestRevisionNote="Re-released for DXP Platform.", PackageDescription="Radial Cap, Thru-Hole; 2 Leads; 0.3 in Pin Spacing", PackageReference=RAD-0.3, Published=8-Jun-2000, Publisher="Altium Limited"
C10 C11 C34: library part "Cap Pol1", "Polarized Capacitor Aluminum", LatestRevisionDate=17-Jul-2002, LatestRevisionNote="Re-released for DXP Platform.", PackageDescription="Polarized Capacitor (Radial); 2 Leads", PackageReference=RB7.6-15, Published=8-Jun-2000, Publisher="Altium Limited"
C36: library part Cap-Polar, "Tantal Capacitor Size A", Voltage=16V, Adding Date=1387/12/20, Designer="Saeid Jorablo", Organazation=ControTec
C37 C38 C39 C40 C41 C42 C43 C44: library part "Cap ceramic", "Capacitor"
CON1: library part "Header 4", "touchpad FPC", LatestRevisionDate=17-Jul-2002, LatestRevisionNote="Re-released for DXP Platform.", Publisher="Altium Limited"
D1 D11 D12 D13: library part LED0, "LED SMD", LatestRevisionDate=08-Jul-2005, LatestRevisionNote="Mech Layer 1 removed.", PackageDescription="LED; 2 Leads", PackageReference=LED-0, Published=8-Jun-2000, Publisher="Altium Limited"
D2 D3 D8 D14 D15: library part "Diode 1N4007", "1 Amp schottky Diode", Code_JEDEC=DO-204-AL, ComponentLink1Description="Manufacturer Link", ComponentLink1URL=http://www.fairchildsemi.com/, ComponentLink2Description=Datasheet, ComponentLink2URL=http://www.fairchildsemi.com/ds/1N%2F1N4001.pdf, DatasheetVersion=1998, LatestRevisionDate=17-Jul-2002, LatestRevisionNote="Re-released for DXP Platform.", PackageDescription="Diode, Axial; Body 5.2 x 2.7 mm (LxDia. max), Lead Dia. 0.86 mm (max)", PackageReference=DO-41, PackageVersion=Aug-1999, Published=8-Jun-2000, Publisher="Altium Limited"
D4 D5: "Schottky Diode package"
D6 D7 D9 D10: library part "D Zener", "Zener Diode", LatestRevisionDate=17-Jul-2002, LatestRevisionNote="Re-released for DXP Platform.", PackageDescription="Diode, Thru-Hole; 2 Leads; 0.7 in Pin Spacing", PackageReference=DIODE-0.7, Published=8-Jun-2000, Publisher="Altium Limited"
encoder1 encoder2: library part "Header 5", "Header, 5-Pin", LatestRevisionDate=17-Jul-2002, LatestRevisionNote="Re-released for DXP Platform.", Publisher="Altium Limited"
FB1: library part "Inductor Iron", "Ferrite bead smd 1206", LatestRevisionDate=17-Jul-2002, LatestRevisionNote="Re-released for DXP Platform.", PackageDescription="Axial Device, Thru-Hole; 2 Leads; 0.9 in Pin Spacing", PackageReference=AXIAL-0.9, Published=24-Mar-1999, Publisher="Altium Limited"
H1: library part H-1x6, "RTC module"
JP1: "Boot select", Company=E.P.I.L, Defualt State=Close, Design Date=2011/11/02
JP2: "50pin lcd select", Company=E.P.I.L, Defualt State=Close, Design Date=2011/11/02
L1: library part Inductor, "Inductor 12*12mm", Code_IEC=1005, Code_JEITA=0402, LatestRevisionDate=29-May-2009, LatestRevisionNote="IPC-7351 Footprint Added.", PackageDescription="Chip Inductor", PackageReference=0402-A, Published=8-Jun-2000, Publisher="Altium Limited"
L2 L3 L5 L6: library part Inductor, "Inductor", Code_IEC=1005, Code_JEITA=0402, LatestRevisionDate=29-May-2009, LatestRevisionNote="IPC-7351 Footprint Added.", PackageDescription="Chip Inductor", PackageReference=0402-A, Published=8-Jun-2000, Publisher="Altium Limited"
L4: library part Inductor, "Inductor 3*3.2mm", Code_IEC=1005, Code_JEITA=0402, LatestRevisionDate=29-May-2009, LatestRevisionNote="IPC-7351 Footprint Added.", PackageDescription="Chip Inductor", PackageReference=0402-A, Published=8-Jun-2000, Publisher="Altium Limited"
lcd1: library part LCD_40pin, "4.3\" RGB LCD"
lcd2: library part LCD_50pin, "7\" LCD"
LED1 LED2: library part LED, "LED SMD", LatestRevisionDate=08-Jul-2005, LatestRevisionNote="Mech Layer 1 removed.", Published=8-Jun-2000, Publisher="Altium Limited"
M1 M2 M3 M4 M5 M6 M7 M8: library part "Board Screw", "Board Screw With Spacer"
p1: library part "USB MICRO", "USB Connector MICRO-B Type", Max Current=1600mA, Category=Connector, ComponentLink1Description=Datasheet, ComponentLink2Description=Reference, Designer="ABBAS BASEREH", Mounting Technology="Surface Mount\Through-Hole", Pin Count=5-7, Publisher="ABBAS BASEREH", Status=Unreleased, Update=1395-11-17
P2: library part "Header 4", "Header, 4-Pin", LatestRevisionDate=17-Jul-2002, LatestRevisionNote="Re-released for DXP Platform.", Publisher="Altium Limited"
P3: library part "Header 6", "Finger print module", LatestRevisionDate=17-Jul-2002, LatestRevisionNote="Re-released for DXP Platform.", Publisher="Altium Limited"
P4: library part "Header 3", "Header, 3-Pin", LatestRevisionDate=17-Jul-2002, LatestRevisionNote="Re-released for DXP Platform.", Publisher="Altium Limited"
P5: library part "USB A-Type", "USB Connector-A Type Femal"
P6: "Header, 3-Pin", LatestRevisionDate=17-Jul-2002, LatestRevisionNote="Re-released for DXP Platform.", Publisher="Altium Limited"
PC1: "white Power Connector"
Q1: library part MOSFET-P, "P-Channel MOSFET", LatestRevisionDate=17-Jul-2002, LatestRevisionNote="Re-released for DXP Platform.", PackageDescription="TO, Flat Index; 3 In-Line, Axial Leads; Body Dia. 4.6mm; Lead Dia. 0.5 mm (max)", PackageReference=E3, PackageVersion=1995/1996, Published=8-Jun-2000, Publisher="Altium Limited"
Q2: "NPN Silicon Epitaxial Planar Transistor", ComponentLink1Description="Manufacturer Link", ComponentLink1URL=http://www.taitroncomponents.com/, ComponentLink2Description=Datasheet, ComponentLink2URL=http://www.taitroncomponents.com/, DatasheetVersion=2017, LatestRevisionDate=2017, LatestRevisionNote="IPC-7351 Footprint Added.", PackageDescription="3-Pin SOT-23 Package 0.95 mm Pitch, 2.3 mm Lead Span", PackageReference=SOT23, PackageVersion=2017-2-8, Published=2017-2-8, Publisher="Abbas Basereh"
R1 R2 R3 R4 R5 R6 R7 R8 R9 R10 R11 R12 R13 R14 R15 R16 R17 R18 R19 R20 R21 R22 R23 R24 R25 R26 R27 R29 R30 R31 R32 R33 R34 R35 R36 R37 R38 R39 R40 R41 R42 R43 R44 R45 R46 R47 R48 R49 R50 R51 R53 R54 R55 R56 R57 R61 R63 R64 R65: library part Res1, "Resistor", LatestRevisionDate=17-Jul-2002, LatestRevisionNote="Re-released for DXP Platform.", PackageDescription="Axial Device, Thru-Hole; 2 Leads; 0.3 in Pin Spacing", PackageReference=AXIAL-0.3, Published=8-Jun-2000, Publisher="Altium Limited"
R28 R52: library part RPot, "Potentiometer", LatestRevisionDate=17-Jul-2002, LatestRevisionNote="Re-released for DXP Platform.", PackageDescription="Variable Resistor, Thru-Hole; 3 Leads", PackageReference=VR5, Published=8-Jun-2000, Publisher="Altium Limited", Set Position=0.5, Sim Note="Enter the Resistance value and the set point into parameter fields."
S1 S7: "Push Button Switch"
S2 S3 S4 S5 S9 S10 S11 S12 S13 S14 S15 S16 S17 S18 S19 S20: library part "Switch PB", "Push Button Switch"
S8: library part "DIP Switch 1", "Program"
SIM1: "GSM Module", Designer="Ali Hafizi"
SIM2: library part "SIM HOLDER", "SIM HOLDER", Deigner="Ali Hafizi"
T1: "Terminal 3 Pin", ComponentLinkURL=www.picpars.com, Designer="Seyed Mohsen Ghasemain", E-mail=picpars@gmail.com
U1 U2 U3: library part AMS1117, Package="SOT-223 Seeed Technology", Availability=Unavailable, MF="Seeed Technology", MP=AMS1117, Price=None, SnapEDA_Link=https://www.snapeda.com/parts/AMS1117/Seeed%20Technology%20Co.%2C%20Ltd/view-part/184428/?ref=snap
U4: "MT48LC16M16A2P or K4S561632C SDram"
U5: library part lm2596
U6: library part STM32F429IGT6, "ARM Cortex-M4 32-bit MCU+FPU, 225 DMIPS, 1024 kB Flash, 256 kB Internal RAM, 140 I/Os, 176-pin LQFP, -40 to 85 degC, Tray", I/Os (High Current)=140, Manufacturer=STMicroelectronics, Operating Frequency(F) (Processor speed) (MHz)=180, Supplier Part Number 1=STM32F429IGT6-ND, Supply Voltage(Vcc) max (V)=3.6, Supply Voltage(Vcc) min (V)=1.8, ComponentLink1Description="Manufacturer URL", ComponentLink1URL=http://www.st.com/web/en/home.html, ComponentLink2Description=Datasheet, ComponentLink2URL=http://www.st.com/st-web-ui/static/active/en/resource/technical/document/data_brief/DM00053488.pdf, ComponentLink3Description="Package Specification", ComponentLink3URL=http://www.st.com/st-web-ui/static/active/en/resource/technical/document/datasheet/DM00035129.pdf, Core="ARM Cortex-M4", D/A Converter=2x12-bit, DatasheetVersion="Rev. 2", FLASH Size (Prog) (kB)=1024, Internal RAM Size (kB)=256, Mounting Technology="Surface Mount", PackageDescription="176-Pin Low Profile Quad Flat Package, 24 x 24 mm Body, 0.5 mm Pitch", PackageReference=LQFP176, PackageVersion="Rev. 4, 06/2013", Packing=Tray, PartNumber=STM32F429IGT6, Supplier 1=Digi-Key, Supplier 2=Newark, Supplier 3=Mouser, Supplier Part Number 2=06X3669, Supplier Part Number 3=511-STM32F429IGT6
U7: "Nand Flash"
U8: "SENSOR HUMID/TEMP 3V I2C 3% SMD", Package="DFN-6 Sensirion", Availability=Unavailable, MF="Sensirion AG", MP=SHT20, Price=None, SnapEDA_Link=https://www.snapeda.com/parts/SHT20/Sensirion%20AG/view-part/53498/?ref=snap
U9: library part EM_18, "RFID reader"
U10: "pwm led controller"
U11: "SPI touch"
U12: library part ESP8266-01/ESP-01, "ESP-01 wifi module", Package=None, Availability=Unavailable, MF=AI-Thinker, MP=ESP8266-01/ESP-01, Price=None, SnapEDA_Link=https://www.snapeda.com/parts/ESP8266-01/ESP-01/AI-Thinker/view-part/106413/?ref=snap
U13 U14 U15 U16: "EEPROM"
U17: "TVS diode ESD protection"
U18 U19: "NOR flash"
U20: "1/1 Transceiver Half RS422, RS485 8-SOIC", Package="SOIC-8 Maxim Integrated", Digi-Key_Part_Number=MAX485CSA+TCT-ND, Digi-Key_Purchase_URL=https://www.digikey.com/product-detail/en/maxim-integrated/MAX485CSA-T/MAX485CSA-TCT-ND/3894816?utm_source=snapeda&utm_medium=aggregator&utm_campaign=symbol, MF="Maxim Integrated", MP=MAX485, SnapEDA_Link=https://www.snapeda.com/parts/MAX485/Maxim%20Integrated/view-part/493689/?ref=snap
U21: "2/2 Transceiver Full RS232 16-SO", Package=None, Availability=Unavailable, MF="Maxim Integrated", MP=MAX3232ESE, Price=None, SnapEDA_Link=https://www.snapeda.com/parts/MAX3232ESE/Maxim%20Integrated/view-part/991442/?ref=snap
Y1 Y2: library part CRYSTAL, "Crystal"
J1: Created by="altium designer (M.Hariri)"

## Via types
v1: diameter 1, hole 0.5, Top Layer to Bottom Layer, tented both sides, 454 vias
v2: diameter 1.8, hole 1, Top Layer to Bottom Layer, tented both sides, 10 vias
v3: diameter 1, hole 0.5, Top Layer to Bottom Layer, 5 vias
v4: diameter 1.8, hole 0.8, Top Layer to Bottom Layer, tented both sides, 2 vias

## Nets (pads, with @x,y where several pads share a name; then routed paths per layer and width w, separated by ;. In a path a pad name is that pad's centre, name@x,y a point inside that pad or via, vN(x,y) a via of type N, cw(c..) or ccw(c..) an arc to the next point about the centre after c; other vN are vias at no path point)
4v2: C36.1 C37.2 C38.2 C39.2 D10.2 FB1.2 SIM1.34 SIM1.35 | length 20.1
  Top Layer w0.6: D10.2@195.831,81.912 D10.2@195.834,81.915 196.102,82.183 200.134,82.183 SIM1.35@200.152,82.201 SIM1.34@200.152,83.296
  Top Layer w0.8: C38.2@195.177,67.818 C39.2@195.177,70.168 195.177,72.692 195.75,73.265 195.75,75.141 C36.1@195.58,75.311 195.628,75.311 195.827,75.51 FB1.2@195.827,78.486 195.831,78.489 D10.2@195.831,81.912